# Altium PCB RF-BPF_backup.PcbDoc (part 1 of 2) (continued)
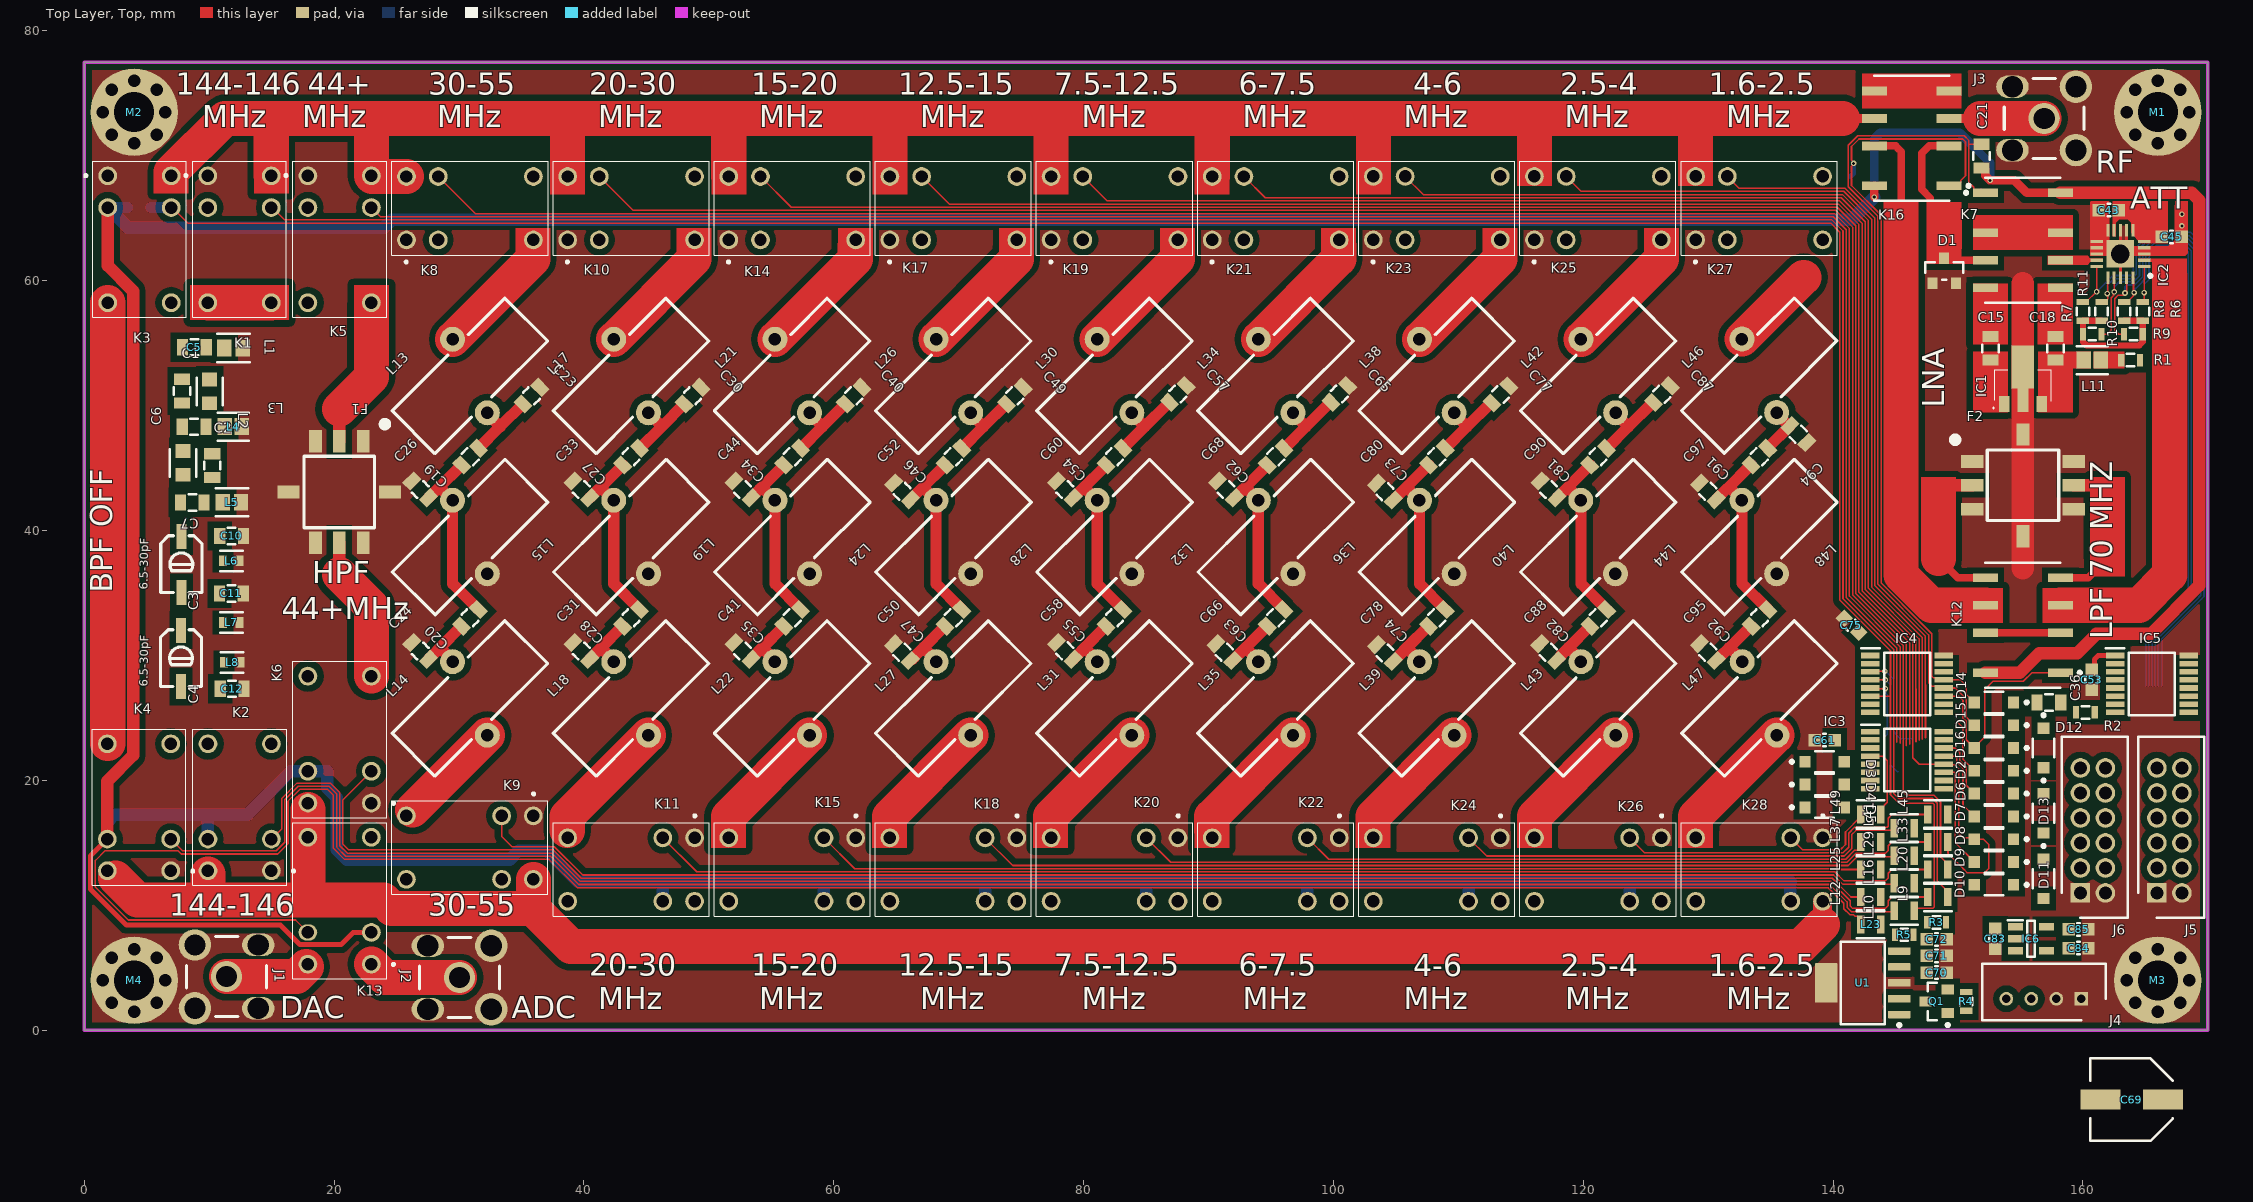
[diagram p0: Top Layer, Top view]
## Components (designator, comment, footprint, x,y, rotation, side; value= is the part's Value field where it differs from the comment) (continued)
L34 "3.75uH" Amidon_T50 95.371,52.385 r45 top
L35 "3.75uH" Amidon_T50 95.371,26.575 r45 top
L36 "3.75uH" Amidon_T50 95.389,39.48 r225 top
L37 "CB2012T101K" FP-CB2012-MFG 143,15.075 r180 top
L38 "5.3uH" Amidon_T50 108.271,52.385 r45 top
L39 "5.3uH" Amidon_T50 108.271,26.575 r45 top
L40 "5.3uH" Amidon_T50 108.289,39.48 r225 top
L41 "CB2012T101K" FP-CB2012-MFG 145.7,16.175 r180 top
L42 "7.1uH" Amidon_T50 121.2,52.385 r45 top
L43 "7.1uH" Amidon_T50 121.2,26.575 r45 top
L44 "7.1uH" Amidon_T50 121.2,39.48 r225 top
L45 "CB2012T101K" FP-CB2012-MFG 148.4,17.275 r180 top
L46 "9.5uH" Amidon_T50 134.089,52.403 r45 top locked
L47 "9.5uH" Amidon_T50 134.107,26.575 r45 top
L48 "9.5uH" Amidon_T50 134.107,39.48 r225 top
L49 "CB2012T101K" FP-CB2012-MFG 143,17.275 r180 top
M1 "MountHole" MountHole 166,73.5 r270 top locked
M2 "MountHole" MountHole 4,73.5 r270 top locked
M3 "MountHole" MountHole 166,4 r270 top locked
M4 "MountHole" MountHole 4,4 r270 top locked
Q1 "IRLML9301TRPBF" INF-SOT-23-3_V 148.3,2.325 r180 top
R1 "18R" R-0603 163.825,53.65 r0 top
R2 "1k" R-0603 160.2,25.45 r180 top
R3 "6.49k 1%" R-0603 148.3,8.65 r0 top
R4 "30k" R-0603 150.65,2.325 r270 top
R5 "2k 1%" R-0603 145.7,7.65 r180 top
R6 "1k" R-0603 164.8,57.55 r270 top
R7 "1k" R-0603 160,57.55 r270 top
R8 "1k" R-0603 163.3,57.55 r270 top
R9 "1k" R-0603 164.05,55.725 r0 top
R10 "1k" R-0603 160.75,55.725 r180 top
R11 "1k" R-0603 161.5,57.55 r270 top
U1 "TL1963ADCQR" DCQ0006A_L 142.375,3.8 r180 top

## Footprints (in the part's own frame and the unit in brackets; to place one, negate y for a bottom-side part, rotate by r counter-clockwise, add the part's x,y. Pads: shape width x height; smd on the part's side, far side on the other; paste and mask are expansions set on the pad)
31-5431#1 [mm]
  oval 1.8x2.6 hole 1.7: 1(-2.54,-2.54) 2(2.54,-2.54)
  oval 2.5x2.6 hole 1.7: 3(2.54,2.54)
  round 2.6 hole 1.7: 4(-2.54,2.54)
  round 2.5 hole 1.7: 5(0,0)
  silkscreen extent -3.2,-3.2 3.2,3.2, body extent -3.04,-3.04 3.04,3.04, height 9
31-5431#2 [mm]
  oval 1.8x2.6 hole 1.7: 1(-2.54,-2.54) 2(2.54,-2.54)
  round 2.6 hole 1.7: 3(2.54,2.54) 4(-2.54,2.54)
  round 2.5 hole 1.7: 5(0,0)
  silkscreen extent -3.2,-3.2 3.2,3.2, body extent -3.04,-3.04 3.04,3.04, height 9
Amidon_T50 [mm]
  round 2 hole 1: 1(1.1,3.05) 2(-1.1,-3.075)
  silkscreen extent -6.38,-2.42 6.38,2.42, body extent -6.35,-2.41 6.35,2.42, height 12.75
C-0603 [mm] "Surface-Mount Multilayer Chip Capacitor, Body 1.6 x 0.8 mm (L x W)"
  rect 1x1 smd: 1(-0.8,0) 2(0.8,0)
  silkscreen extent -0.1,-0.5 0.1,0.5, body extent -0.8,-0.4 0.8,0.4, height 0.8
C-0805 [mm] "Surface-Mount Multilayer Chip Capacitor, Body 2 x 1.25 mm (L x W)"
  rect 0.9x1.3 smd: 1(-0.95,0) 2(0.95,0)
  Top Layer, Top pour cut-out: -0.5,0.65 0.5,0.65 0.5,-0.65 -0.5,-0.65
  silkscreen extent -0.3,-0.65 0.3,0.65, body extent -1,-0.62 1,0.63, height 0.78
CAP-ADJ-SMD_L4.5-W3.2-L [mm] "Surface-Mount Multilayer Chip Capacitor, Body 2 x 1.25 mm (L x W)"
  rect 2x0.8 smd: 1(-2.25,0) 2(2.25,0)
  silkscreen extent -2.29,-1.65 2.25,1.65
DCQ0006A_L [mm] "SOT223, 6-Leads, Body 6.55x3.55mm, Pitch 1.27mm, IPC High Density"
  rrect17% 1.8x0.6 smd: 1(-2.925,2.54) 2(-2.925,1.27) 3(-2.925,0) 4(-2.925,-1.27) 5(-2.925,-2.54)
  rrect6% 1.8x3.15 smd: 6(2.925,0)
  silkscreen extent -3.05,-3.3 1.75,3.51, body extent -3.48,-3.25 3.48,3.25, height 1.64
EEE1AA101SP [mm]
  rect 3.2x1.6 smd: 1(-2.5,0) 2(2.5,0)
  silkscreen extent -3.3,-3.3 3.3,3.3, body extent -3.9,-3.4 3.9,3.4, height 5.57
FP-318-08-MFG [mm]
  rect 0.9x0.8 smd paste+0 mask+0: 1(-1,0.95) 2(-1,-0.95) 3(1,0)
  silkscreen extent -0.7,-1.52 0.7,1.52, body extent -1.55,-1.62 1.55,1.62, height 0.25
FP-74479773133-IPC_C [mm]
  rect 1.154x1.356 smd paste+0 mask+0: 1(-0.726,0) 2(0.726,0)
  silkscreen extent -1.3,-1.12 1.3,1.12, body extent -1.4,-0.82 1.4,0.82, height 0.25
FP-CB2012-MFG [mm]
  rect 0.6x1.45 smd paste+0 mask+0: 1(-0.8,0) 2(0.8,0)
  silkscreen extent -1.1,-1.12 1.1,1.12, body extent -1.2,-0.82 1.2,0.82, height 0.25
FP-LQM21DN_00-IPC_C [mm]
  rect 1.154x1.356 smd paste+0 mask+0: 1(-0.676,0) 2(0.676,0)
  silkscreen extent -1.25,-1.12 1.25,1.12, body extent -1.35,-0.82 1.35,0.82, height 0.25
FP-LQW2BHN_03-MFG [mm]
  rect 1.1x1.2 smd paste+0 mask+0: 1(-0.95,0) 2(0.95,0)
  silkscreen extent -1.1,-1.05 1.1,1.05, body extent -1.6,-0.95 1.6,0.95, height 0.25
FP-LQW18AN_00-MFG [mm]
  rect 0.625x0.85 smd paste+0 mask+0: 1(-0.663,0) 2(0.663,0)
  silkscreen extent -0.9,-0.82 0.9,0.82, body extent -1.07,-0.6 1.07,0.6, height 0.25
FP-SOD123-MFG [mm]
  rect 0.9x0.95 smd paste+0 mask+0: 1(-1.575,0) 2(1.575,0)
  silkscreen extent -2.75,-0.85 0.75,0.85, body extent -2.12,-0.95 2.12,0.95, height 0.25
G5V1DC12#1 [mm]
  round 1.5 hole 1: 1(-5.08,-2.215) 2(-2.54,-2.215) 5(5.08,-2.215) 6(5.08,2.865) 9(-2.54,2.865) 10(-5.08,2.865)
  silkscreen extent -6.25,-4.07 6.25,4.08, body extent -6.15,-3.3 6.15,3.98, height 9.8
G5V1DC12#2 [mm]
  round 1.5 hole 1: 1(-5.08,-2.215) 2(-2.54,-2.215) 5(5.08,-2.215) 6(5.08,2.865) 10(-5.08,2.865)
  oval 1.3x1.5 hole 1: 9(-2.54,2.865)
  silkscreen extent -6.25,-4.07 6.25,4.08, body extent -6.15,-3.3 6.15,3.98, height 9.8
GP731 [mm]
  rect 1.02x1.78 smd: 1(-1.91,-4.065) 2(0,-4.065) 3(1.91,-4.065) 5(1.91,4.065) 6(0,4.065) 7(-1.91,4.065)
  rect 1.78x1.02 smd: 4(4.065,0) 8(-4.065,0)
  silkscreen extent -3.9,-5.67 2.82,2.88, body extent -4.63,-4.63 4.63,4.63, height 2.92
INF-SOT-23-3_V [mm] "SOT23, 3-Leads, Body 3.04x1.4mm, Pitch 0.95mm"
  rect 0.972x0.802 smd: 1(-0.885,0.95) 2(-0.885,-0.95) 3(0.885,0)
  silkscreen extent -1.01,-1.5 0.7,2.03, body extent -1.32,-1.52 1.32,1.52, height 1.12
MountHole [mm]
  round 1 hole 1: 1(-2.5,0) 1(-1.8,1.8) 1(-1.8,-1.8) 1(0,2.5) 1(0,-2.5) 1(1.8,1.8) 1(1.8,-1.8) 1(2.5,0)
  round 7 hole 3.2: 1(0,0)
QFN50P400X400X90-21N-D [mm]
  rect 1x0.25 smd: 1(-1.9,1) 2(-1.9,0.5) 3(-1.9,0) 4(-1.9,-0.5) 5(-1.9,-1) 11(1.9,-1) 12(1.9,-0.5) 13(1.9,0) 14(1.9,0.5) 15(1.9,1)
  rect 0.25x1 smd: 6(-1,-1.9) 7(-0.5,-1.9) 8(0,-1.9) 9(0.5,-1.9) 10(1,-1.9) 16(1,1.9) 17(0.5,1.9) 18(0,1.9) 19(-0.5,1.9) 20(-1,1.9)
  rect 2.2x2.2 smd: 21(0,0)
  silkscreen extent -2.53,1.63 -2.28,1.87, body extent -2.05,-2.05 2.05,2.05, height 0.9
R-0603 [mm] "Thin Film, Rectangular Resisitor Chip, Body 1.6 x 0.9 mm (L x W)"
  rect 0.5x1 smd: 1(-0.75,0) 2(0.75,0)
  Top Layer, Top pour cut-out: -0.5,0.5 0.5,0.5 0.5,-0.5 -0.5,-0.5
  silkscreen extent -0.3,-0.5 0.3,0.5, body extent -0.8,-0.4 0.8,0.4, height 0.45
SHDR4W50P0X200_1X4_990X450X600P [mm]
  rect 1.1x1.1 hole 0.7: 1(0,0)
  round 1.1 hole 0.7: 2(-2,0) 3(-4,0) 4(-6,0)
  silkscreen extent -7.95,-1.7 1.95,2.8, body extent -7.95,-2.25 1.95,2.25, height 6
SHDR12W60P200_2X6_1400X500X690P [mm]
  rect 1.575x1.575 hole 1.05: 1(0,0)
  round 1.575 hole 1.05: 2(0,2) 3(-2,0) 4(-2,2) 5(-4,0) 6(-4,2) 7(-6,0) 8(-6,2) 9(-8,0) 10(-8,2) 11(-10,0) 12(-10,2)
  silkscreen extent -12.5,-1.5 2,3.8, body extent -12,-1.5 2,3.5, height 6.9
SOP65P640X120-16N [mm]
  rect 1.48x0.45 smd: 1(-2.935,2.275) 2(-2.935,1.625) 3(-2.935,0.975) 4(-2.935,0.325) 5(-2.935,-0.325) 6(-2.935,-0.975) 7(-2.935,-1.625) 8(-2.935,-2.275) 9(2.935,-2.275) 10(2.935,-1.625) 11(2.935,-0.975) 12(2.935,-0.325) 13(2.935,0.325) 14(2.935,0.975) 15(2.935,1.625) 16(2.935,2.275)
  silkscreen extent -3.67,-2.5 1.85,2.85, body extent -3.2,-2.5 3.2,2.5, height 1.2
SOT95P280X145-5N [mm]
  rect 1.2x0.6 smd: 1(-1.25,0.95) 2(-1.25,0) 3(-1.25,-0.95) 4(1.25,-0.95) 5(1.25,0.95)
  silkscreen extent -1.85,-1.45 0.3,1.5, body extent -1.4,-1.45 1.4,1.45, height 1.2
SPF5189Z [mm]
  rect 0.86x1.27 smd: 1(-1.5,-1.478) 3(1.5,-1.478)
  rect 0.86x1.85 smd: 2(0,-1.188)
  rect 1.8x3.48 smd: 4(0,1.477)
  silkscreen extent -2.4,-1.85 2.25,1.25, body extent -2.25,-1.25 2.25,1.25, height 1.6
TECO-2-1462037-3_V [mm] "SMT, 8-Leads, Body 10x6mm"
  rect 0.7x2 smd: 1(-3.8,-3) 2(-0.6,-3) 3(1.6,-3) 4(3.8,-3) 5(3.8,3) 6(1.6,3) 7(-0.6,3) 8(-3.8,3)
  silkscreen extent -5,-4.67 5,3, body extent -5,-3 5,3, height 5.65

## Part data
C1 C2 C3 C4 C5 C6 C7 C8 C9 C10 C11 C12 C13 C14 C15 C16 C17 C18 C19 C20 C21 C22 C23 C24 C25 C26 C27 C28 C29 C30 C31 C32 C33 C34 C35 C36 C37 C38 C39 C40 C41 C42 C43 C44 C45 C46 C47 C48 C49 C50 C51 C52 C53 C54 C55 C56 C57 C58 C59 C60 C61 C62 C63 C64 C65 C66 C67 C68 C70 C71 C72 C73 C74 C75 C76 C77 C78 C79 C80 C81 C82 C83 C84 C85 C86 C87 C88 C89 C90 C91 C92 C93 C94 C95 C96 C97: library part "C semi", "Ceramic Multilayer Capacitor", Manufacturer=Yageo/Phycomp, Manufacturer P/N=CC0603JRNPO9BN102, Tolerance=±10%, numsch=011, Parameters="1nF, NP0, 50V, ±5%", TypeNum=155
C69: "Capacitor Polarised", Manufacturer_Name=Panasonic, Datasheet Link=http://industrial.panasonic.com/cdbs/www-data/pdf/RDE0000/ABA0000C1145.pdf, Height=7.8mm, Manufacturer_Part_Number=EEE1EA220SP
D1: library part CMP-07163-000036-1, "DIODE ARRAY 100V 215MA SOT23-3", Capacitance=1.5pF, Case/Package=SOT-23, Current Rating=200mA, Forward Current=150mA, Forward Voltage=1.25V, Max Forward Surge Current (Ifsm)=500mA, Max Operating Temperature=150°C, Max Repetitive Reverse Voltage (Vrrm)=70V, Min Operating Temperature=-65°C, Peak Non-Repetitive Surge Current=2A, Peak Reverse Current=2.5uA, Height=0.94mm, Lead Free="Lead Free", Length=2.9mm, Mount="Surface Mount", Number of Pins=3, Packaging="Tape and Reel", REACH SVHC="No SVHC", Reverse Recovery Time=6ns, Voltage Rating (DC)=70V, Width=1.3mm
D2 D3 D4 D5 D6 D7 D8 D9 D10 D11 D12 D13 D14 D15 D16: library part CMP-12791-000005-1, "DIODE GEN PURP 100V 150MA SOD123", Capacitance=2pF, Forward Current=300mA, Manufacturer="Diodes Inc.", Max Junction Temp=+150°C, Max Repetitive Reverse Voltage=100V, Max Surge Forward Current=1A, Package=SOD123, Peak Reverse Current=1uA, Temperature="-65°C to +150°C", Temperature Range Low=-65°C, Automotive=No, Category=Diode, ComponentLink2Description=Datasheet, ComponentLink2URL=https://upverter.com/datasheet/628e7d6fee5901eee6eef4567d1c3569f2cd3cde.pdf, Device Class L1="Discrete Semiconductors", Device Class L2=Diodes, Device Class L3="Rectifier Diodes", Digikey Description="DIODE GEN PURP 100V 150MA SOD123", Footprint Url=https://www.diodes.com/assets/Package-Files/SOD123.pdf, Height=1.45mm, Lead Free=Yes, Manufacturer Part Number=1N4148W-13-F, Mouser Description="1N4148W Series 2 A 100 V 400 mW Surface Mount Fast Switching Diode - SOD-123", Octopart=https://octopart.com/1n4148w-13-f-diodes+inc.-2359612, Reverse Voltage=100V, RoHS=TRUE, Standoff Height=0mm, Temperature Range High=+150°C
IC1: library part SPF5189Z, "Integrated Circuit", Manufacturer_Name=RFMD, Datasheet Link=https://componentsearchengine.com/Datasheets/2/SPF5189Z.pdf, Height=1.5mm, Manufacturer_Part_Number=SPF5189Z
IC2: "Integrated Circuit", Manufacturer_Name="Peregrine Semiconductor", Datasheet Link=https://www.psemi.com/pdf/datasheets/pe4312ds.pdf, Height=0.9mm, Manufacturer_Part_Number=PE4312C-Z
IC3 IC4 IC5: "Integrated Circuit", Manufacturer_Name=STMicroelectronics, Mouser Part Number=511-STPIC6C595T, Arrow Part Number=STPIC6C595TTR, Arrow Price/Stock=https://www.arrow.com/en/products/stpic6c595ttr/stmicroelectronics?region=nac, Datasheet Link=http://www.st.com/st-web-ui/static/active/en/resource/technical/document/datasheet/CD00020664.pdf, Height=1.2mm, Manufacturer_Part_Number=STPIC6C595TTR, Mouser Price/Stock=https://www.mouser.co.uk/ProductDetail/STMicroelectronics/STPIC6C595TTR?qs=Pgvhs884FskRYYZkj3y%2FSg%3D%3D
IC6: "Integrated Circuit", Manufacturer_Name="Texas Instruments", Mouser Part Number=595-TPS70933DBVR, Arrow Part Number=TPS70933DBVR, Arrow Price/Stock=https://www.arrow.com/en/products/tps70933dbvr/texas-instruments?region=nac, Datasheet Link=http://www.ti.com/lit/gpn/tps709, Height=1.45mm, Manufacturer_Part_Number=TPS70933DBVR, Mouser Price/Stock=https://www.mouser.co.uk/ProductDetail/Texas-Instruments/TPS70933DBVR?qs=Z9twEOuL%252B%2FJOaGO60BtvLA%3D%3D
J1 J2 J3: library part 31-5431, "SMA"
J4: "Connector", Arrow Part Number=B4B-PH-K-S(LF)(SN), Manufacturer_Name="JST (JAPAN SOLDERLESS TERMINALS)", Arrow Price/Stock=https://www.arrow.com/en/products/b4b-ph-k-s-lf-sn/jst-manufacturing, Datasheet Link=https://datasheet.lcsc.com/szlcsc/JST-Sales-America-B4B-PH-K-S-LF-SN_C131334.pdf, Height=6mm, Manufacturer_Part_Number=B4B-PH-K-S(LF)(SN)
J5 J6: "Connector", Arrow Part Number=DF11-12DP-2DSA(24), Manufacturer_Name=Hirose, Mouser Part Number=798-DF11-12DP-2DSA24, Arrow Price/Stock=https://www.arrow.com/en/products/df11-12dp-2dsa-24/hirose-electric, Datasheet Link=https://datasheet.datasheetarchive.com/originals/distributors/SFDatasheet-7/sf-000141225.pdf, Height=6.9mm, Manufacturer_Part_Number=DF11-12DP-2DSA(24), Mouser Price/Stock=https://www.mouser.co.uk/ProductDetail/Hirose-Connector/DF11-12DP-2DSA24?qs=zOgoZG1CgI9hGIQfeQgy6Q%3D%3D
K1 K2 K3 K4 K5 K6 K8 K9 K10 K11 K13 K14 K15 K17 K18 K19 K20 K21 K22 K23 K24 K25 K26 K27 K28: "Relay or Contactor", Manufacturer_Name="Omron Electronics", Mouser Part Number=653-G5V-1-DC12, Arrow Part Number=G5V-1-DC12, Arrow Price/Stock=https://www.arrow.com/en/products/g5v-1-dc12/omron?region=nac, Datasheet Link=https://componentsearchengine.com/Datasheets/1/G5V-1-DC12.pdf, Height=10mm, Manufacturer_Part_Number=G5V-1-DC12, Mouser Price/Stock=https://www.mouser.co.uk/ProductDetail/Omron-Electronics/G5V-1-DC12?qs=nNiD76Ca0%252BuMuQOpoevaxA%3D%3D
K7 K12 K16: library part CMP-2000-05409-1, "Signal Relay, 2 A, 12 VDC, -40 to 85 degC, 8-Pin SMD, RoHS, Tape and Reel", Coil Current=11.67mA, Coil Resistance=1.029kohm, Coil Voltage DC=12V, Contact Current Rating=2A, Dropout Volt=1.2VDC, Manufacturer="TE Connectivity", Maximum Power Rating=60W/62.5VA, Operating Temp Range=-40Cto85C, Pick-up Voltage (Max)=9VDC, Voltage Rating (VAC)=250V, Voltage Rating (VDC)=220, Coil Suppression Diode=No, Contact Arrangement=DPDT, Contact Form=2FormC, Contact Material=PalladiumRuthenium/Gold, Datasheet URL=http://www.te.com/commerce/DocumentDelivery/DDEController?Action=srchrtrv&DocNm=108-98001&DocType=SS&DocLang=EN, Datasheet Version="Rev. 0116, 01/2016", LED Indicator=No, Manufacturer URL=http://www.te.com/, Mounting Style=SurfaceMount, Operate Time=1ms, Packaging=TapeandReel, Pin Count=8, Product Depth (mm)=7.5mm, Product Height (mm)=5.65mm, Product Length (mm)=10mm, Push To Test Button=No, Relay Construction=Non-Latching, Seal=Unsealed, Termination Style=GullWing, Type=SignalRelay
L1 L2: library part CMP-06042-007594-1, "Wire Wound RF Inductor 22nH ±5% 720mA 0.09Ω 0805 (2015)", Case Code (Imperial)=0805, Case Code (Metric)=2012, Current Rating=720mA, DC Resistance (DCR)=90mR, Inductance=22nH, Max Operating Temperature=85°C, Min Operating Temperature=-40°C, Package Quantity=2000, Resistor Type=Wirewound, Self Resonant Frequency=2.1GHz, Test Frequency=100MHz, Tolerance=5%, Case/Package=0805, Core Material=Non-Magnetic, DC Current=720mA, Depth=1.7mm, Height=1.7mm, Height - Seated (Max)=0.07inch, Lead Free="Lead Free", Length=2.2mm, Max DC Current=720mA, Military Standard=Not, Mount="Surface Mount", Packaging="Tape and Reel", Q Factor=30, Radiation Hardening=No, Series Resistance=90mR, Shielding=Unshielded, Termination=SMD/SMT, Weight=0.000317oz, Width=0.059inch
L3 L5: library part CMP-1392-00041-2, "FIXED IND 330NH 1.4A 100 MOHM", Case Code (Imperial)=0805, Case Code (Metric)=2012, Case/Package=SMD/SMT, Current Rating=1.4A, DC Resistance (DCR)=100mR, Inductance=330nH, Inductance Tolerance=20%, Max Operating Temperature=125°C, Min Operating Temperature=-40°C, Package Quantity=1, Saturation Current=1.2A, Self Resonant Frequency=200MHz, Test Frequency=1MHz, Height=0.5mm, Height - Seated (Max)=0.024inch, Length=0.079inch, Max DC Current=1.4A, Mount="Surface Mount", Packaging="Tape and Reel", Q Factor=8, RoHS Compliant=Yes, Series=WE-PMI, Shielding=Unshielded, Termination=SMD/SMT, Tolerance=20%, Weight=0.001129oz, Width=1.25mm
L4: library part CMP-06042-016884-1, "Multilayer Type Inductor for General Circuits, 0805 (2012), 0.18μH, 10%, 0.35Ω, 250mA", Case Code (Imperial)=0805, Case Code (Metric)=2012, Current Rating=250mA, DC Resistance (DCR)=350mR, Inductance=180nH, Max Operating Temperature=85°C, Min Operating Temperature=-40°C, Package Quantity=1, Self Resonant Frequency=250MHz, Test Frequency=25MHz, Tolerance=10%, Case/Package=0805, Core Material=Ferrite, DC Current=250mA, Depth=1.45mm, Height=0.85mm, Height - Seated (Max)=0.041inch, Lead Free="Lead Free", Length=2mm, Max DC Current=250mA, Military Standard=Not, Mount="Surface Mount", Packaging="Tape and Reel", Q Factor=20, Radiation Hardening=No, Rated Current-Max=250mA, Series=LQM21N, Shielding=Shielded, Termination=SMD/SMT, Width=0.049inch
L6 L7 L8: library part CMP-06042-007631-1, "Wire Wound RF Inductor 8.2nH ±0.5nH 650mA 0.11Ω 0603 (1608)", Case Code (Imperial)=0603, Case Code (Metric)=1608, Current Rating=650mA, DC Resistance (DCR)=110mR, Inductance=8.2nH, Max Operating Temperature=125°C, Min Operating Temperature=-55°C, Package Quantity=4000, Resistor Type=Wirewound, Self Resonant Frequency=6GHz, Test Frequency=100MHz, Case/Package=0603, Core Material=Non-Magnetic, DC Current=650mA, Depth=1mm, Height=0.8mm, Height - Seated (Max)=0.039inch, Lead Free="Lead Free", Length=1.6mm, Max DC Current=650mA, Military Standard=Not, Mount="Surface Mount", Packaging="Tape and Reel", Q Factor=35, Radiation Hardening=No, Series Resistance=110mR, Shielding=Unshielded, Termination=SMD/SMT, Weight=0.000106oz, Width=0.031inch
L9 L10 L12 L16 L20 L23 L25 L29 L33 L37 L41 L45 L49: library part CMP-14484-000220-1, "SMD Inductors 100uH ±10% 0.13A 9.1Ω 0805", Case Code (Imperial)=0805, Case Code (Metric)=2012, Current Rating=130mA, DC Resistance (DCR)=9.1R, Inductance=100uH, Inductance Tolerance=10%, Max Operating Temperature=105°C, Min Operating Temperature=-40°C, Package Quantity=3000, Resistor Type=Wirewound, Saturation Current=60mA, Self Resonant Frequency=8MHz, Test Frequency=796kHz, Case/Package=0805, Core Material=Ferrite, Depth=1.45mm, Halogen Free="Halogen Free", Height=0.9mm, Height - Seated (Max)=0.057inch, Lead Free="Lead Free", Length=0.079inch, Max DC Current=130mA, Mount="Surface Mount", Number of Pins=2, Packaging="Tape and Reel", Radiation Hardening=No, RoHS Compliant=Yes, Series=CB, Shielding=Unshielded, Termination=SMD/SMT, Tolerance=10%, Width=0.049inch
L11: library part CMP-06042-016438-1, "Multilayer Type Inductor for General Circuits, 0805 (2012), 0.22μH, 10%, 0.38Ω, 250mA", Case Code (Imperial)=0805, Case Code (Metric)=2012, Current Rating=250mA, DC Resistance (DCR)=380mR, Inductance=220nH, Inductance Tolerance=10%, Max Operating Temperature=85°C, Min Operating Temperature=-40°C, Package Quantity=4000, Self Resonant Frequency=220MHz, Test Frequency=25MHz, Case/Package=0805, Core Material=Ferrite, DC Current=250mA, Depth=1.45mm, Height=0.85mm, Height - Seated (Max)=0.041inch, Lead Free="Lead Free", Length=2mm, Max DC Current=250mA, Military Standard=Not, Mount="Surface Mount", Number of Pins=2, Packaging="Tape and Reel", Q Factor=20, Radiation Hardening=No, Rated Current-Max=250mA, REACH SVHC="No SVHC", RoHS Compliant=Yes, Series=LQM21N, Shielding=Shielded, Termination=SMD/SMT, Tolerance=10%, Width=1.25mm
L13 L14 L15 L17 L18 L19 L21 L22 L24 L26 L27 L28 L30 L31 L32 L34 L35 L36 L38 L39 L40 L42 L43 L44 L46 L47 L48: library part Amidon
Q1: library part CMP-2000-06487-1, "HEXFET(R) Power MOSFET, 3.6 A, 30 V, -55 to 150 degC, 3-Pin SOT-23, RoHS, Tape and Reel", Current - Continuous Drain (Id) @ 25°C=3.6A(Ta), Drain to Source Voltage (Vdss)=30V, Input Capacitance (Ciss) @ Vds=388pF@25V, Manufacturer=InfineonTechnologies, Operating Temperature=-55°C~150°C(TJ), Package / Case=TO-236-3,SC-59,SOT-23-3, Package Description="3-Pin Small Outline Transistor, Body 2.92 x 1.3 mm, Pitch 0.95 mm", Package Reference=SOT-23-3, Power - Max=1.3W, Supplier Device Package=Micro3™/SOT-23, Category=DiscreteSemiconductorProducts, Datasheet URL=http://www.infineon.com/dgdl/irlml9301pbf.pdf?fileId=5546d462533600a401535668e5e42640, Datasheet Version=02/2012, Family=Transistors-FETs,MOSFETs-Single, FET Feature=Standard, FET Type=MOSFETP-Channel,MetalOxide, Gate Charge (Qg) @ Vgs=4.8nC@4.5V, Manufacturer URL=http://www.infineon.com/, Mounting Technology=SurfaceMount, Mounting Type=SurfaceMount, Packaging=Tape&Reel(TR), Part Status=Active, Rds On (Max) @ Id, Vgs=64mOhm@3.6A,10V, Series=HEXFET®, Vgs(th) (Max) @ Id=2.4V@10µA
R1 R2 R3 R4 R5 R6 R7 R8 R9 R10 R11: library part "RES semi", "Chip Resistor", Manufacturer=Yageo/Phycomp, Manufacturer P/N=RC0603FR-0749R9L, numsch=021, Parameters="49.9R, RC, 0.1W, ±1%, TCR ±100ppm", TypeNum=212
U1: library part CMP-0395-00366-2, "Single Output Fast Transient Response LDO, 1.5 A, Adjustable 1.21 to 20 V Output, 2.1 to 20 V Input, 6-pin SOT-223 (DCQ), -40 to 125 degC, Green (RoHS & no Sb/Br)", Manufacturer="Texas Instruments", ComponentLink1Description="Manufacturer URL", ComponentLink1URL=http://www.ti.com/, ComponentLink2Description=Datasheet, ComponentLink2URL=http://www.ti.com/general/docs/lit/getliterature.tsp?genericPartNumber=TL1963A&fileType=pdf, ComponentLink3Description="Package Specification", ComponentLink3URL=http://www.ti.com/litv/pdf/mpds098c, DatasheetVersion=SLVS719F, Eco-Plan="Green (RoHS & no Sb/Br)", Iout(Max)(A)=1.5, Iq(Typ)(mA)=1, Mounting Technology="Surface Mount", PackageDescription="6-Pin Plastic Small Outline, Body 3.5 x 6.5 mm, Pitch 1.27 mm", PackageReference=DCQ0006A, PackageVersion=4202109/D, PartNumber=TL1963ADCQR, SubFamily="Single Channel LDO", Vdo(Typ)(mV)=340, Vin(Max)(V)=20, Vin(Min)(V)=2.1, Vout Adj(Max)(V)=20, Vout Adj(Min)(V)=1.21

## Free pads (board coordinates)
  round 1.5 hole 1.5: ""(163,62.15)

## Via types
v1: diameter 0.45, hole 0.25, Top Layer, Top to Bottom Layer, Bottom, 14 vias

## Nets (pads, with @x,y where several pads share a name; then routed paths per layer and width w, separated by ;. In a path a pad name is that pad's centre, name@x,y a point inside that pad or via, vN(x,y) a via of type N, cw(c..) or ccw(c..) an arc to the next point about the centre after c; other vN are vias at no path point)
+3.3V: C43.1 C45.1 C53.1 C61.1 C75.1 C84.2 C85.2 IC2.5 IC2.6 IC2.9 IC3.1 IC3.7 IC4.1 IC4.7 IC5.1 IC5.7 IC6.5 R2.2 R6.2 R7.2 R8.2 R9.2 R10.2 R11.2 | length 17.4
  Top Layer, Top w0.254: IC2.6@164,64.05 164,65.675 ; IC2.5@164.9,63.15 C45.1@166.6,63.15
  Top Layer, Top w0.4: C53.1@160.7,28.875 160.925,29.1 160.925,29.7 161.225,30 IC5.1@162.59,30
  Top Layer, Top w0.5: R11.2@161.5,56.8 R7.2@160,56.8 R10.2@160,55.725 160,55.475 160,55.118 160.293,54.825 164.507,54.825 164.8,55.118 R9.2@164.8,55.725 R6.2@164.8,56.8 R8.2@163.3,56.8
+5V: C71.2 C72.2 R1.2 R3.2 U1.4
+12V: C8.2 C9.2 C13.2 C14.2 C16.2 C17.2 C21.2 C22.2 C25.2 C29.2 C32.2 C36.2 C37.2 C38.2 C39.2 C42.2 C48.2 C51.2 C56.2 C59.2 C64.2 C67.2 C76.2 C79.2 C83.2 C86.2 C89.2 C93.2 C96.2 D2.1 D3.1 D4.1 D5.1 D6.1 D7.1 D8.1 D9.1 D10.1 D11.1 D12.1 D13.1 D14.1 D15.1 D16.1 IC6.1 IC6.3 J4.3 J4.4 K1.2 K2.9 K3.2 K4.9 K5.2 K6.9 K7.8 K8.2 K9.9 K10.2 K11.9 K12.8 K13.2 K14.2 K15.9 K16.8 K17.2 K18.9 K19.2 K20.9 K21.2 K22.9 K23.2 K24.9 K25.2 K26.9 K27.2 K28.9 Q1.2 R4.1 | length 473.2
  Top Layer, Top w0.4: K4.9@1.85,15.31 0.51,13.969 0.51,11.299 3.372,8.437 15.7,8.437 17.279,6.858 20.558,6.858 21.535,7.835 K13.2@22.99,7.835
  Top Layer, Top w0.7: v1(143.3,66.7) K16.8@143.3,67.6 ; C21.2@151.875,69.025 152.075,69.025 152.175,68.925 152.175,68.435 v1(152.57,68.04) 154.51,68.04 155.5,67.05 K7.8@158.2,67.05
  Top Layer, Top w1: K4.9@1.85,15.31 1.85,19.95 3.919,22.019 3.919,59.181 1.885,61.215 K3.2@1.885,65.865 ; K12.8@152.2,28.625 154.95,28.625 156.525,30.2 159.55,30.2 161.087,31.737 165.448,31.737 169.3,35.59 169.3,66.464 168.714,67.05 K7.8@158.2,67.05
  Bottom Layer, Bottom w0.7: v1(143.3,66.7) C38.2@143.3,68.35 143.3,71.375 143.775,71.85 150.15,71.85 152.57,69.43 v1(152.57,68.04)
  Bottom Layer, Bottom w0.9: K3.2@1.885,65.865 C13.2@3.475,65.865
  Bottom Layer, Bottom w1: K4.9@1.85,15.31 1.85,16.689 2.436,17.275 9.9,17.275 ; K3.2@1.885,65.865 3.5,64.25 24,64.25 24.625,64.875 C22.2@28.34,64.875 C29.2@41.24,64.875 C39.2@54.14,64.875 C48.2@67.04,64.875 C56.2@79.94,64.875 C64.2@92.84,64.875 C76.2@105.74,64.875 C86.2@118.635,64.875 C93.2@131.525,64.875 141.475,64.875 v1(143.3,66.7) ; K2.9@9.91,15.31 9.91,17.265 9.9,17.275 ; C17.2@19.465,20.735 K6.9@17.91,20.735 16.535,20.735 13.075,17.275 9.9,17.275 ; C17.2@19.475,20.725 19.475,19.375 20.213,18.637 20.213,14.462 21.025,13.65 C25.2@33.425,13.65 ; K9.9@33.415,12.085 K9.9@33.55,12.085 ; C25.2@33.575,13.65 34.05,13.65 34.775,14.375 37.025,14.375 39.5,11.9 C32.2@46.32,11.9 ; K11.9@46.32,10.324 C32.2@46.32,11.9 ; K15.9@59.22,10.324 C42.2@59.22,11.9 ; K18.9@72.12,10.324 C51.2@72.12,11.9 ; K20.9@85.02,10.324 C59.2@85.02,11.9 ; K22.9@97.92,10.324 C67.2@97.92,11.9 ; K24.9@110.82,10.324 C79.2@110.82,11.9 ; K26.9@123.72,10.324 C89.2@123.72,11.9 ; C96.2@136.6,11.9 C96.2@136.575,11.9 ; K28.9@136.62,10.324 136.575,10.369 C96.2@136.575,11.9 ; C32.2@46.32,11.9 C42.2@59.22,11.9 ; C42.2@59.22,11.9 C51.2@72.12,11.9 ; C51.2@72.12,11.9 C59.2@85.02,11.9 ; C59.2@85.02,11.9 C67.2@97.92,11.9 ; C67.2@97.92,11.9 C79.2@110.82,11.9 ; C79.2@110.82,11.9 C89.2@123.72,11.9 ; C89.2@123.72,11.9 C96.2@136.575,11.9
ADC: J2.5 K13.1 | length 7.5
  Top Layer, Top w2.814: K13.1@22.99,5.295 24.06,4.225 J2.5@30.05,4.225
ATT_0.5: IC2.20 IC5.3 R8.1 | length 46.2
  Top Layer, Top w0.127: R8.1@163.3,58.3 163.55,58.3 164.038,58.788 164.038,58.988 v1(164.1,59.05) 164.05,59.1 164.05,60.2 IC2.20@164,60.25
  Bottom Layer, Bottom w0.127: v1(164.1,59.05) 164.162,59.112 164.162,59.321 164.41,59.57 165.041,60.2 165.041,62.005 165.895,62.859 168.204,62.859 168.679,62.384 168.679,35.145 168.375,34.841 165.284,31.75 165.284,27.55
ATT_1: IC2.19 IC5.4 R9.1 | length 51
  Top Layer, Top w0.127: R9.1@163.3,55.725 162.875,55.725 162.55,56.05 162.55,58.569 162.82,58.839 163.289,58.839 163.5,59.05 IC2.19@163.5,60.25
  Bottom Layer, Bottom w0.127: v1(163.375,59.025) 163.375,59.525 163.511,59.661 164.143,59.661 164.787,60.305 164.787,62.11 165.79,63.113 168.309,63.113 168.933,62.489 168.933,35.04 168.625,34.732 165.538,31.645 165.538,27.55
ATT_2: IC2.17 IC5.5 R10.1 | length 51.7
  Top Layer, Top w0.127: R10.1@161.5,55.725 161.95,55.725 162.275,56.05 162.275,58.654 162.448,58.826 162.448,59.055 v1(162.509,59.116) ; v1@162.5,59.116 162.505,59.121 162.505,60.245 IC2.17@162.5,60.25
  Bottom Layer, Bottom w0.127: v1(162.509,59.116) 162.509,59.509 162.915,59.915 164.037,59.915 164.533,60.411 164.533,62.216 165.684,63.367 168.415,63.367 169.187,62.595 169.187,34.934 168.875,34.622 165.792,31.539 165.792,27.55
ATT_4: IC2.16 IC5.6 R11.1 | length 50.1
  Top Layer, Top w0.127: R11.1@161.5,58.3 161.75,58.3 162,58.55 IC2.16@162,60.25
  Bottom Layer, Bottom w0.127: v1(161.95,58.975) 161.95,59.616 162.503,60.169 163.932,60.169 164.279,60.516 164.279,62.321 165.579,63.621 168.52,63.621 169.441,62.7 169.441,34.829 169.05,34.438 166.046,31.434 166.046,27.55
ATT_8: IC2.15 IC5.11 R7.1 | length 52.2
  Top Layer, Top w0.127: R7.1@160,58.3 160.25,58.3 161.1,59.15 IC2.15@161.1,61.15
  Bottom Layer, Bottom w0.127: v1(161.1,59.125) 162.398,60.423 163.827,60.423 164.025,60.621 164.025,62.426 165.474,63.875 168.625,63.875 169.695,62.805 169.695,34.724 169.5,34.529 166.3,31.329 166.3,27.55
ATT_16: IC2.1 IC5.12 R6.1 | length 45.6
  Top Layer, Top w0.127: R6.1@164.8,58.3 164.9,58.4 IC2.1@164.9,61.15
  Bottom Layer, Bottom w0.127: v1(164.9,59.05) 164.9,59.7 165.295,60.095 165.295,61.9 166,62.605 168.099,62.605 168.425,62.279 168.425,35.25 165.03,31.855 165.03,27.55